# Altium PCB bogo_board.PcbDoc (part 1 of 2) (continued)
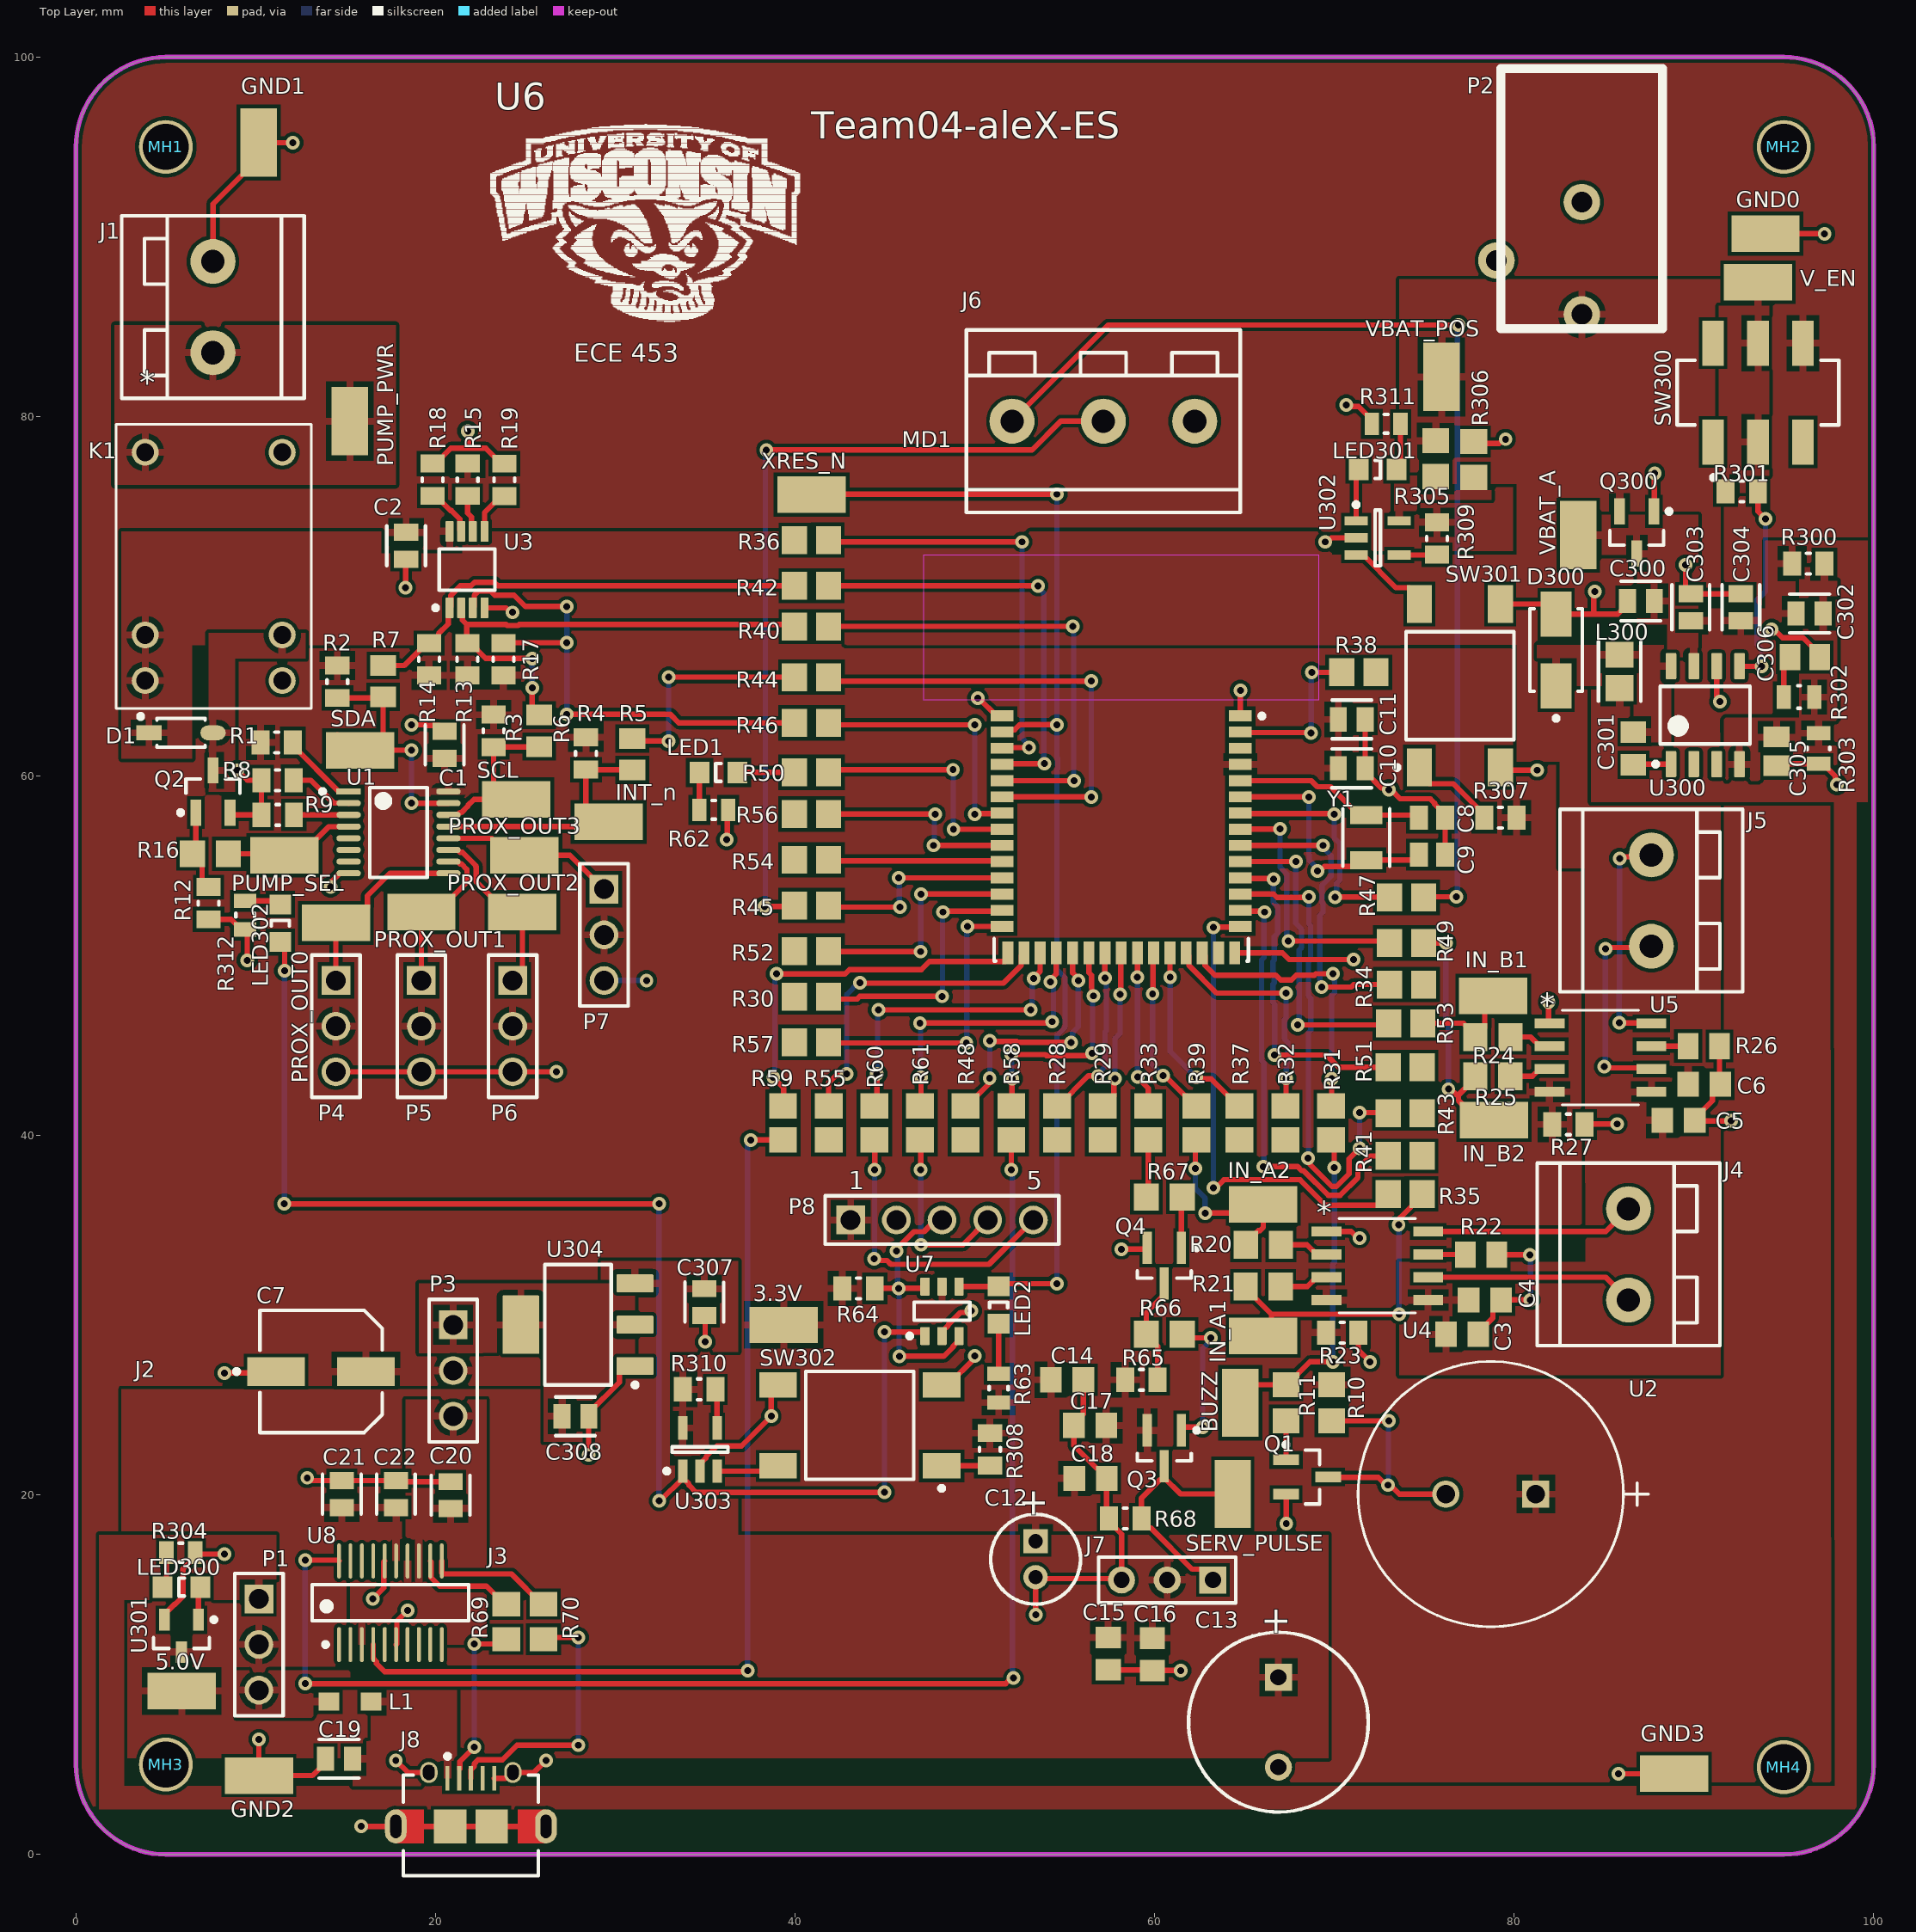
[diagram p0: Top Layer view]
## Part data (continued)
C301: library part Cap_4, "Cap Ceramic 0.01uF 100V X7R 10% SMD 0805 125°C Plastic T/R", Case Code (Imperial)=0805, Case Code (Metric)=2012, Dielectric=X7R, Dielectric Material=Ceramic, Manufacturer=KEMET, Manufacturer Part Number=C0805C103K1RAC7210, Max Operating Temperature=125°C, Min Operating Temperature=-55°C, Package Quantity=10000, Supplier Part Number 1=399-17617-1-ND, Tolerance=10%, Voltage Rating=100V, Case/Package=0805, Category="Ceramic Capacitors", ComponentLink1Description=http://www.farnell.com/datasheets/2747800.pdf?src-supplier=Farnell, ComponentLink1URL=http://www.farnell.com/datasheets/2747800.pdf?src-supplier=Farnell, ComponentLink2Description=http://www.mouser.com/ds/2/212/KEM_C1002_X7R_SMD-1102033.pdf?src-supplier=Mouser, ComponentLink2URL=http://www.mouser.com/ds/2/212/KEM_C1002_X7R_SMD-1102033.pdf?src-supplier=Mouser, ComponentLink3Description=http://components.arrow.com/part/dataview/2091052S6675795N7429?src-supplier=Arrow+Electronics, ComponentLink3URL=http://components.arrow.com/part/dataview/2091052S6675795N7429?src-supplier=Arrow+Electronics, ComponentLink4Description=https://www.verical.com/server-webapp/html/getDatasheet?partID=131027&src-supplier=Verical, ComponentLink4URL=https://www.verical.com/server-webapp/html/getDatasheet?partID=131027&src-supplier=Verical, ComponentLink5Description=http://www.kemet.com/kemet/web/homepage/kechome.nsf/weben/C4DA2DA1D1C9D3C3CA2570A50016092D/$file/KEM_C1002_X7R_SMD.pdf?src-supplier=Avnet, ComponentLink5URL=http://www.kemet.com/kemet/web/homepage/kechome.nsf/weben/C4DA2DA1D1C9D3C3CA2570A50016092D/$file/KEM_C1002_X7R_SMD.pdf?src-supplier=Avnet, ComponentLink6Description=https://api.kemet.com/component-edge/download/datasheet/C0805C103K1RAC7210.pdf?src-supplier=Digi-Key, ComponentLink6URL=https://api.kemet.com/component-edge/download/datasheet/C0805C103K1RAC7210.pdf?src-supplier=Digi-Key, ComponentLink7Description=http://www.farnell.com/datasheets/2747800.pdf?src-supplier=Newark, ComponentLink7URL=http://www.farnell.com/datasheets/2747800.pdf?src-supplier=Newark, ComponentLink8Description=http://www.kemet.com/kemet/web/homepage/kechome.nsf/weben/C4DA2DA1D1C9D3C3CA2570A50016092D/$file/KEM_C1002_X7R_SMD.pdf, ComponentLink8URL=http://www.kemet.com/kemet/web/homepage/kechome.nsf/weben/C4DA2DA1D1C9D3C3CA2570A50016092D/$file/KEM_C1002_X7R_SMD.pdf, Construction=Flat, Depth=1.25mm, Height=0.78mm, Length=2mm, Mounting Technology="Surface Mount", Packaging="Tape and Reel", Pricing 1="1=0.10000, 10=0.05400, 50=0.02960, 100=0.02430, 500=0.01732, 1000=0.01361, 2500=0.01237, 5000=0.01138 (USD)", Radiation Hardening=No, RoHS=Yes, RoHS Compliant=Yes, Series=C0805C, Stock 1=464939, Supplier 1=Digi-Key, Termination=SMD/SMT, Voltage Rating (DC)=100V
C302: library part CMP-2007-00354-2, "0805 C 2.7nF Ceramic Multilayer Capacitor; 50 VDC; +125degC; X7R Dielec; +/-10%", Capacitance="2,700 pF", Capacitor Type=Ceramic, Case/Package=0805, Manufacturer=KEMET, Max Operating Temperature=125°C, Min Operating Temperature=-55°C, Package=C0805C-DN, Package Shape=Rectangular, Rated DC Voltage (URdc)=50V, Supplier Part Number=399-C0805C272K5RAC7800CT-ND, Temperature="-55°C to +125°C", Temperature Characteristic=X7R, Temperature Coefficient=30ppm/°C, Temperature Range High=+125°C, Tolerance=0.1, Tolerance  (fill in as +-)=10%, Voltage Rating="50 V", Automotive=No, Category=Cap, ComponentLink1Description=http://capacitoredge.kemet.com:80/capedge2/DataSheet/Datasheet-C0805C272K5RAC7800.pdf?pn=C0805C272K5RAC7800&src-supplier=IHS+Markit, ComponentLink1URL=http://capacitoredge.kemet.com:80/capedge2/DataSheet/Datasheet-C0805C272K5RAC7800.pdf?pn=C0805C272K5RAC7800&src-supplier=IHS+Markit, ComponentLink2Description=Datasheet, ComponentLink2URL=https://content.kemet.com/datasheets/KEM_C1003_C0G_SMD.pdf, ComponentLink3Description=https://datasheet.ciiva.com/14589/70095383-14589404.pdf?src-supplier=Allied+Electronics, ComponentLink3URL=https://datasheet.ciiva.com/14589/70095383-14589404.pdf?src-supplier=Allied+Electronics, Device Class L1="Passive Components", Device Class L2=Capacitors, Device Class L3="Ceramic Capacitors", Dielectric Material=Ceramic, Digikey Description="0805 C 2.7nF Ceramic Multilayer Capacitor; 50 VDC; +125degC; X7R Dielec; +/-10%", Height=0.88mm, Ipc Land Pattern Name=CAPC200125X78, JESD-609 Code=e3, Lead Free=Yes, Manufacturer Part Number=C0805C272K5RACTU, Manufacturer Series=C0805C272K5RACTU, Material=Ceramic, Mounting Technology="Surface Mount", Mouser Description="0805 C 2.7nF Ceramic Multilayer Capacitor; 50 VDC; +125degC; X7R Dielec; +/-10%", Multilayer=Yes, Octopart=https://octopart.com/c0805c272k5ractu-kemet-135930, Packaging="Tape and Reel", Pins=2, Pricing="1=0.16, 10=0.108, 50=0.0648, 100=0.0547, 500=0.03744, 1000=0.03312 (USD)", Reach SVHC Compliant=Yes, RoHS=TRUE, RoHS Compliant=Yes, Stock=22544, Supplier=Digi-Key, Temperature Characteristics Code=X7R, Temperature Range Low=-55°C, Terminal Finish=Nickel, Termination=Wraparound, Tolerance (fill in as +-)=10%
C303 C304: library part CMP-2007-01008-2, "CAP CER 47UF 6.3V X5R 0805", Capacitance=47uF, Capacitor Type=Ceramic, Case Code (Imperial)=0805, Case Code (Metric)=2012, Dielectric=X5R, Manufacturer=KEMET, Max Operating Temperature=85°C, Min Operating Temperature=-55°C, Package Quantity=3000, Package Shape=Rectangular, Package Style=SMTMeter, Rated DC Voltage (URdc)=6.3V, Supplier Part Number=399-C0805C476M9PAC7800CT-ND, Tolerance=20%, Case/Package=0805, Category="Ceramic Capacitors", ComponentLink1Description=https://datasheet.ciiva.com:443/pdfs/VipMasterIC/IC/KEME/KEME-S-A0008991665/KEME-S-A0008991665-1.pdf?src-supplier=IHS+Markit, ComponentLink1URL=https://datasheet.ciiva.com:443/pdfs/VipMasterIC/IC/KEME/KEME-S-A0008991665/KEME-S-A0008991665-1.pdf?src-supplier=IHS+Markit, ComponentLink2Description=https://datasheet.ciiva.com/6137/40889-6137142.pdf?src-supplier=Farnell, ComponentLink2URL=https://datasheet.ciiva.com/6137/40889-6137142.pdf?src-supplier=Farnell, ComponentLink3Description=https://datasheet.ciiva.com/7842/40889-7842618.pdf?src-supplier=Element14, ComponentLink3URL=https://datasheet.ciiva.com/7842/40889-7842618.pdf?src-supplier=Element14, Construction=Flat, Depth=1.25mm, Dielectric Material=Ceramic, Dissipation Factor=5%, Height=1.25mm, JESD-609 Code=e3, Length=2mm, Manufacturer Part Number=C0805C476M9PACTU, Mount=PCB, Mounting Technology="Surface Mount", Multilayer=Yes, Number of Pins=2, Packaging="Tape and Reel", Pins=2, Pricing="1=0.78, 10=0.597, 50=0.4956, 100=0.4268, 500=0.3304, 1000=0.28451 (USD)", Radiation Hardening=No, REACH SVHC="No SVHC", Reach SVHC Compliant=Yes, RoHS=Yes, RoHS Compliant=Yes, Series=C0805C, Stock=80632, Supplier=Digi-Key, Temperature Characteristics Code=X5R, Terminal Finish=Nickel, Termination=SMD/SMT, Tolerance  (fill in as +-)=20%, Tolerance (fill in as +-)=20%, Voltage=6.3V, Voltage Rating=6.3V, Voltage Rating (DC)=6.3V, Width=1.2mm
C305: library part CMP-2007-00291-1, Capacitor Type=Ceramic, Case/Package=0805, Manufacturer=Kemet, Max Operating Temperature=125°C, Min Operating Temperature=-55°C, Package Shape=Rectangular, Rated DC Voltage (URdc)=100V, Supplier Part Number=399-C0805C151J1GAC7800CT-ND, Temperature Characteristics Code=C0G, Tolerance  (fill in as +-)=5%, Category="Ceramic Capacitors", ComponentLink1Description=https://datasheet.ciiva.com:443/pdfs/VipMasterIC/IC/KEME/KEME-S-A0000339992/KEME-S-A0000339992-1.pdf?src-supplier=IHS+Markit, ComponentLink1URL=https://datasheet.ciiva.com:443/pdfs/VipMasterIC/IC/KEME/KEME-S-A0000339992/KEME-S-A0000339992-1.pdf?src-supplier=IHS+Markit, ComponentLink2Description=https://datasheet.ciiva.com/22752/1907778-22752185.pdf?src-supplier=Element14, ComponentLink2URL=https://datasheet.ciiva.com/22752/1907778-22752185.pdf?src-supplier=Element14, ComponentLink3Description=https://datasheet.ciiva.com/18193/getdatasheetpartid-330695-18193563.pdf?src-supplier=Verical, ComponentLink3URL=https://datasheet.ciiva.com/18193/getdatasheetpartid-330695-18193563.pdf?src-supplier=Verical, Dielectric Material=Ceramic, JESD-609 Code=e3, Manufacturer Part Number=C0805C151J1GACTU, Manufacturer Series=C0805C151J1GACTU, Mounting Technology="Surface Mount", Multilayer=Yes, Packaging="Tape and Reel", Part Number=C0805C151J1GACTU, Pins=2, Pricing="1=0.26, 10=0.18, 50=0.1202, 100=0.1022, 500=0.07212, 1000=0.0631 (USD)", Reach SVHC Compliant=Yes, RoHS=Yes, RoHS Compliant=Yes, Stock=29603, Supplier=Digi-Key, Terminal Finish=Nickel, Termination=Wraparound, Tolerance (fill in as +-)=5%
C306: library part CMP-2007-04436-1, Capacitor Type=Ceramic, Case/Package=0805, Manufacturer="AVX Interconnect / Elco", Max Operating Temperature=125°C, Min Operating Temperature=-55°C, Package Shape=Rectangular, Package Style=SMTMeter, Rated DC Voltage (URdc)=50V, Supplier Part Number=478-1392-1-ND, Temperature Characteristics Code=X7R, Tolerance  (fill in as +-)=10%, Category="Ceramic Capacitors", ComponentLink1Description=https://datasheet.ciiva.com:443/pdfs/VipMasterIC/IC/AVXC/AVXC-S-A0008668650/AVXC-S-A0008668650-1.pdf?src-supplier=IHS+Markit, ComponentLink1URL=https://datasheet.ciiva.com:443/pdfs/VipMasterIC/IC/AVXC/AVXC-S-A0008668650/AVXC-S-A0008668650-1.pdf?src-supplier=IHS+Markit, ComponentLink2Description=https://datasheet.ciiva.com/19476/1036591-19476553.pdf?src-supplier=Jameco, ComponentLink2URL=https://datasheet.ciiva.com/19476/1036591-19476553.pdf?src-supplier=Jameco, ComponentLink3Description=https://datasheet.ciiva.com/11787/0900766b80dc2409-11787766.pdf?src-supplier=Rs, ComponentLink3URL=https://datasheet.ciiva.com/11787/0900766b80dc2409-11787766.pdf?src-supplier=Rs, ComponentLink4Description=https://datasheet.ciiva.com/150/cx7r-150632.pdf?src-supplier=Digi-Key, ComponentLink4URL=https://datasheet.ciiva.com/150/cx7r-150632.pdf?src-supplier=Digi-Key, ComponentLink5Description=https://datasheet.ciiva.com/150/cx7r-150633.pdf?src-supplier=Digi-Key, ComponentLink5URL=https://datasheet.ciiva.com/150/cx7r-150633.pdf?src-supplier=Digi-Key, ComponentLink6Description=https://datasheet.ciiva.com/150/cx7r-150634.pdf?src-supplier=Digi-Key, ComponentLink6URL=https://datasheet.ciiva.com/150/cx7r-150634.pdf?src-supplier=Digi-Key, ComponentLink7Description=https://datasheet.ciiva.com/5412/cx7r-5412810.pdf?src-supplier=Mouser, ComponentLink7URL=https://datasheet.ciiva.com/5412/cx7r-5412810.pdf?src-supplier=Mouser, ComponentLink8Description=https://datasheet.ciiva.com/16326/cx7r-16326391.pdf?src-supplier=Future+Electronics, ComponentLink8URL=https://datasheet.ciiva.com/16326/cx7r-16326391.pdf?src-supplier=Future+Electronics, ComponentLink9Description=https://datasheet.ciiva.com/28535/1818074-28535102.pdf?src-supplier=Element14, ComponentLink9URL=https://datasheet.ciiva.com/28535/1818074-28535102.pdf?src-supplier=Element14, Dielectric Material=Ceramic, Height=0.94mm, JESD-609 Code=e3, Length=2.01mm, Manufacturer Part Number=08055C563KAT2A, Mounting Technology="Surface Mount", Multilayer=Yes, Packaging="Tape and Reel", Part Number=08055C563KAT2A, Pins=2, Pricing="1=0.12, 10=0.089, 50=0.0504, 100=0.0418, 500=0.02928, 1000=0.02424 (USD)", Reach SVHC Compliant=Yes, RoHS=Yes, RoHS Compliant=Yes, Stock=29440, Supplier=Digi-Key, Terminal Finish=Nickel, Termination=Wraparound, Tolerance (fill in as +-)=10%, Width=1.25mm
D1: "DIODE SCHOTTKY 20V 1A SOD123FL", Average Rectified Current=1A, Forward Voltage=450mV, Manufacturer 2=MCC, Max Operating Temperature=125°C, Max Reverse Voltage (DC)=20V, Max Surge Current=30A, Min Operating Temperature=-65°C, Package Quantity=1, Supplier Part Number 1=SM5817PL-TPMSCT-ND, Category="Rectifier Diodes", ComponentLink1Description=https://datasheet.ciiva.com/15200/getdatasheetpartid-487494-15200581.pdf?src-supplier=Verical, ComponentLink1URL=https://datasheet.ciiva.com/15200/getdatasheetpartid-487494-15200581.pdf?src-supplier=Verical, ComponentLink2Description=https://datasheet.ciiva.com/912/sm5817pl-sm5819plsod-123fl-912827.pdf?src-supplier=Digi-Key, ComponentLink2URL=https://datasheet.ciiva.com/912/sm5817pl-sm5819plsod-123fl-912827.pdf?src-supplier=Digi-Key, Element Configuration=Single, Manufacturer Part Number 2=SM5817PL-TP, Mount="Surface Mount", Number of Pins=2, Packaging="Tape and Reel", Peak Non-Repetitive Surge Current=30A, Pricing 2="1=0.46000, 10=0.31900, 100=0.16110, 500=0.13144, 1000=0.09752 (USD)", Radiation Hardening=No, Reverse Voltage=20V, RoHS=Yes, RoHS Compliant=Yes, Stock 2=178040, Supplier 1=Digi-Key
D300: library part CMP-1667-00003-3, "DIODE SCHOTTKY 40V 3A SMA", Average Rectified Current=3A, Capacitance=250pF, Case/Package=SMA, Forward Voltage=500mV, Manufacturer=Diodes, Max Forward Surge Current (Ifsm)=80A, Max Operating Temperature=125°C, Max Repetitive Reverse Voltage (Vrrm)=40V, Max Reverse Current=500uA, Min Operating Temperature=-55°C, Package Body Material=Plastic, Package Quantity=5000, Package Shape=Rectangular, Package Style="SMALL OUTLINEMeter", Peak Reflow Temperature (Cel)=260°C, Supplier Part Number=B340A-FDICT-ND, Time @ Peak Reflow Temperature-Max (s)=40s, Application(s)=EFFICIENCY, Category="Rectifier Diodes", ComponentLink1Description=https://datasheet.ciiva.com:443/pdfs/VipMasterIC/IC/DIOD/DIOD-S-A0002833665/DIOD-S-A0002833511-1.pdf?src-supplier=IHS+Markit, ComponentLink1URL=https://datasheet.ciiva.com:443/pdfs/VipMasterIC/IC/DIOD/DIOD-S-A0002833665/DIOD-S-A0002833511-1.pdf?src-supplier=IHS+Markit, Contact Plating=Tin, Current=3A, Current Rating=3A, Diode Element Material=SILICON, Diode Type=RECTIFIER, Element Configuration=Single, Forward Current=3A, Height=2.3mm, JESD-30 Code=R-PDSO-C2, JESD-609 Code=e3, Lead Free="Lead Free", Length=4.6mm, Manufacturer Part Number=B340A-13-F, Max Output current=3A, Max Reverse Voltage (DC)=40V, Moisture Sensitivity Level=1, Mount="Surface Mount", Non-rep Pk Forward Current-Max=80A, Number of Elements=1, Number of Phases=1, Number of Pins=2, Output Current=3A, Packaging="Tape and Reel", Peak Non-Repetitive Surge Current=80A, Pins=2, Polarity=Standard, Pricing="1=0.43, 10=0.334, 100=0.2004, 500=0.18558, 1000=0.1262, 2000=0.11618 (USD)", Qualification Status="Not Qualified", Radiation Hardening=No, REACH SVHC="No SVHC", Reach SVHC Compliant=No, Reference Standard=AEC-Q101, Rep Pk Reverse Voltage-Max=40V, RoHS=Yes, RoHS Compliant=Yes, Series=-, Stock=42803, Supplier=Digi-Key, Surface Mount=Yes, Technology=SCHOTTKY, Terminal Finish=Tin, Terminal Form="C BEND", Terminal Position=DUAL, Termination=SMD/SMT, Voltage=40V, Voltage Rating (DC)=40V, Weight=0.002258oz, Width=2.92mm
J1 J4 J5: library part 2-Pin, "2~24 Poles, Screw Type, Horizontal, 5.08 Pitch, 26~14 (AWG), Terminal Block Connector", Manufacturer="CUI Devices", Manufacturer Part Number=TB006-508-02BE, Supplier Part Number=102-6191-ND, Category="Terminal Blocks", ComponentLink1Description=https://datasheet.ciiva.com/709/eng-cd-640456-w1-709680.pdf?src-supplier=Digi-Key, ComponentLink1URL=https://datasheet.ciiva.com/709/eng-cd-640456-w1-709680.pdf?src-supplier=Digi-Key, ComponentLink2Description=https://datasheet.ciiva.com/3118/eng-ds-82056-mta-0608-3118497.pdf?src-supplier=Avnet, ComponentLink2URL=https://datasheet.ciiva.com/3118/eng-ds-82056-mta-0608-3118497.pdf?src-supplier=Avnet, ComponentLink3Description=https://datasheet.ciiva.com/16401/eng-ds-82056-mta-0608-16401289.pdf?src-supplier=Future+Electronics, ComponentLink3URL=https://datasheet.ciiva.com/16401/eng-ds-82056-mta-0608-16401289.pdf?src-supplier=Future+Electronics, ComponentLink4Description=https://datasheet.ciiva.com/25617/0900766b80027008-25617244.pdf?src-supplier=RSComponents, ComponentLink4URL=https://datasheet.ciiva.com/25617/0900766b80027008-25617244.pdf?src-supplier=RSComponents, ComponentLink5Description=https://datasheet.ciiva.com/14156/04384301-14156820.pdf?src-supplier=Distrelec, ComponentLink5URL=https://datasheet.ciiva.com/14156/04384301-14156820.pdf?src-supplier=Distrelec, ComponentLink6Description=https://datasheet.ciiva.com/11746/0900766b80eb7fdd-11746365.pdf?src-supplier=RSComponents, ComponentLink6URL=https://datasheet.ciiva.com/11746/0900766b80eb7fdd-11746365.pdf?src-supplier=RSComponents, ComponentLink7Description=https://datasheet.ciiva.com/7128/1866390-7128742.pdf?src-supplier=Newark, ComponentLink7URL=https://datasheet.ciiva.com/7128/1866390-7128742.pdf?src-supplier=Newark, ComponentLink8Description=https://datasheet.ciiva.com/16505/eng-ds-82056-mta-0608-16505419.pdf?src-supplier=Avnet+Asia, ComponentLink8URL=https://datasheet.ciiva.com/16505/eng-ds-82056-mta-0608-16505419.pdf?src-supplier=Avnet+Asia, Pricing 1="1=0.86, 10=0.472, 25=0.3524, 50=0.3142, 100=0.308, 250=0.27108, 500=0.24644, 1000=0.2218, 5000=0.16635 (USD)", RoHS=Yes, Stock 1=50889, Supplier=Digi-Key
J2 J3: library part CMP-03355-000020-1, "CONN SHUNT 2POS OPEN 2.54MM", Color=Black, Contact Current Rating=3A, Flammability Rating="UL94 V-0", Insulation Resistance=1GR, Manufacturer="TE Connectivity", Max Operating Temperature=105°C, Min Operating Temperature=-65°C, Package Quantity=1500, Supplier Part Number=52F5498, Supplier Part Number 1=A26228-ND, Approvals=UL, Category="Board to Board Connectors", ComponentLink1Description=https://datasheet.ciiva.com/25616/0900766b810caf26-25616808.pdf?src-supplier=Rs, ComponentLink1URL=https://datasheet.ciiva.com/25616/0900766b810caf26-25616808.pdf?src-supplier=Rs, ComponentLink2Description=https://datasheet.ciiva.com/767/eng-cd-382811-l-767846.pdf?src-supplier=Digi-Key, ComponentLink2URL=https://datasheet.ciiva.com/767/eng-cd-382811-l-767846.pdf?src-supplier=Digi-Key, ComponentLink3Description=https://datasheet.ciiva.com/30253/eng-cs-1307819-section-6-7and8-0808-30253247.pdf?src-supplier=Onlinecomponents.com, ComponentLink3URL=https://datasheet.ciiva.com/30253/eng-cs-1307819-section-6-7and8-0808-30253247.pdf?src-supplier=Onlinecomponents.com, ComponentLink4Description=https://datasheet.ciiva.com/14640/70083050-14640423.pdf?src-supplier=Allied+Electronics, ComponentLink4URL=https://datasheet.ciiva.com/14640/70083050-14640423.pdf?src-supplier=Allied+Electronics, ComponentLink5Description=https://datasheet.ciiva.com/1412/eng-cs-1307819-section-6-7and8-0808-1412631.pdf?src-supplier=Element14, ComponentLink5URL=https://datasheet.ciiva.com/1412/eng-cs-1307819-section-6-7and8-0808-1412631.pdf?src-supplier=Element14, ComponentLink6Description=https://datasheet.ciiva.com/3120/eng-cs-1307819-section-6-7and8-0808-3120187.pdf?src-supplier=Avnet, ComponentLink6URL=https://datasheet.ciiva.com/3120/eng-cs-1307819-section-6-7and8-0808-3120187.pdf?src-supplier=Avnet, Contact Gender=Female, Contact Material=Bronze, Contact Plating=Gold, Current Rating=3A, Depth=2.54mm, ELV=Compliant, Height=6.35mm, Housing Color=Black, Housing Material=Polyester, Lead Free="Lead Free", Length=5.08mm, Manufacturer 1="TE Connectivity", Manufacturer Part Number=382811-8, Manufacturer Part Number 1=382811-8, Number of Contacts=2, Number of Positions=2, Number of Rows=1, Orientation=Straight, Packaging=Box, Pitch=2.54mm, Plating Thickness=0.127um, Pricing="1=0.255, 10=0.171, 25=0.156, 100=0.14, 500=0.131, 1000=0.105 (USD)", Pricing 1="10=0.192, 30=0.17833, 50=0.169, 100=0.1599, 250=0.14884, 500=0.14026, 1000=0.1329, 2500=0.1231, 5000=0.11147 (USD)", Radiation Hardening=No, Reach SVHC Compliant=Unknown, RoHS=Yes, RoHS Compliant=Yes, Series=AMPMODU, Stock=6205, Stock 1=342640, Supplier=Newark, Supplier 1=Digi-Key
J6: library part 3-Pin_2, "2~24 Poles, Screw Type, Horizontal, 5.08 Pitch, 26~14 (AWG), Terminal Block Connector", Manufacturer="CUI Devices", Manufacturer Part Number=TB006-508-03BE, Supplier Part Number 1=102-6192-ND, Category="Terminal Blocks", Pricing 1="1=0.91, 10=0.567, 25=0.4856, 50=0.4364, 100=0.4272, 250=0.3636, 500=0.34542, 1000=0.30906, 5000=0.24179 (USD)", RoHS=Yes, Stock 1=41909, Supplier 1=Digi-Key
J7: library part 3-Pin_1, "Switch Slide N.O./N.C. SPDT Top Slide 0.2A 30VDC PC Pins Thru-Hole", Contact Current Rating=200mA, Contact Resistance=20mR, Insulation Resistance=100R, Manufacturer=E-Switch, Manufacturer Part Number=EG1218, Max Operating Temperature=70°C, Min Operating Temperature=-20°C, Operating Force=250gf, Supplier Part Number 1=EG1903-ND, Voltage Rating=30V, Actuator Length=2mm, Actuator Type=Standard, Category="Slide Switches", ComponentLink1Description=https://datasheet.ciiva.com/1699/p040040c-1699451.pdf?src-supplier=Newark, ComponentLink1URL=https://datasheet.ciiva.com/1699/p040040c-1699451.pdf?src-supplier=Newark, Contact Material="Copper Alloy,Copper,Silver", Contact Plating=Silver, Electrical Life=10000Cycles, Illumination Type=Non-Illuminated, Lead Free="Lead Free", Mounting Technology="Through Hole", Number of Positions=2, Orientation=Straight, Packaging=Bulk, Pins=3, Pricing 1="1=0.74, 25=0.6664, 100=0.5958, 500=0.5047, 2500=0.42434 (USD)", Reach SVHC Compliant=No, RoHS=Yes, RoHS Compliant=Yes, Series=EG, Stock 1=46638, Supplier 1=Digi-Key, Switch Function=On-On, Switch Travel=2.5mm, Termination="PC Pin", Throw Configuration=SPDT, Voltage Rating (AC)=30V, Voltage Rating (DC)=30V
J8: library part CMP-2000-05610-1, "Right Angle Female Type AB Micro USB Connector, 30 V, 1.8 A, -30 to 85 degC, RoHS, Tape and Reel", Color=Black, Contact Resistance=40mR, Current Rating=1.8A, Manufacturer=Molex, Max Operating Temperature=85°C, Max Voltage Rating (AC)=100V, Min Operating Temperature=-20°C, Supplier Part Number=40P3749, Voltage Rating=30V, Category="USB Connectors", ComponentLink1Description=https://datasheet.ciiva.com/1098/1597783-1098478.pdf?src-supplier=Element14, ComponentLink1URL=https://datasheet.ciiva.com/1098/1597783-1098478.pdf?src-supplier=Element14, ComponentLink2Description=https://datasheet.ciiva.com/11731/0900766b80dfe0a8-11731295.pdf?src-supplier=Rs, ComponentLink2URL=https://datasheet.ciiva.com/11731/0900766b80dfe0a8-11731295.pdf?src-supplier=Rs, Connector Type=USB,Receptacle, Contact Material="Copper Alloy,Copper", Contact Plating=Gold, Gender=Female, Housing Material=Polymer, Length=8.65mm, Manufacturer Part Number=47589-0001, Mounting Technology="Surface Mount,PCB", Number of Contacts=5, Number of Ports=1, Orientation="Right Angle", Packaging="Tape and Reel", Pitch=0.65mm, Pricing="1=0.536, 25=0.536, 100=0.492, 250=0.492, 500=0.492, 1000=0.492 (USD)", Radiation Hardening=No, Reach SVHC Compliant=Unknown, RoHS=Yes, RoHS Compliant=Yes, Series=47589, Stock=10404, Supplier=Newark, Termination=Solder, USB Standard="USB 2.0", Voltage Rating (AC)=30V
K1: "No Description Available", Mfr_Name="CIT Relay & Switch", Copyright="Copyright (C) 2023 Ultra Librarian. All rights reserved.", Manufacturer_Part_Number=J1021AS512VDC.45, RefDes=RefDes, Type=DEV
L1: library part CMP-0220-00169-1, "SMD EMI Suppression Ferrite Bead WE-CBF, Z = 2200 Ohm", Case Code (Imperial)=0805, Case Code (Metric)=2012, Case/Package=SMD/SMT, Current Rating=200mA, DC Resistance (DCR)=600mR, Manufacturer="Wurth Electronics", Max Operating Temperature=125°C, Min Operating Temperature=-55°C, Package Quantity=1, Supplier Part Number=24AC5609, Test Frequency=100MHz, Tolerance=25%, Category="Ferrite Beads and Chips", ComponentLink1Description="Manufacturer Link", ComponentLink1URL=http://www.we-online.com, ComponentLink2Description=Datasheet, ComponentLink2URL=http://www.we-online.de/katalog/media/pdf/742792093.pdf, ComponentLink3Description=https://datasheet.ciiva.com/1475/742792093-1475025.pdf?src-supplier=Farnell, ComponentLink3URL=https://datasheet.ciiva.com/1475/742792093-1475025.pdf?src-supplier=Farnell, ComponentLink4Description=https://datasheet.ciiva.com/1013/742792093-1013376.pdf?src-supplier=Digi-Key, ComponentLink4URL=https://datasheet.ciiva.com/1013/742792093-1013376.pdf?src-supplier=Digi-Key, ComponentLink5Description=https://datasheet.ciiva.com/4940/742792093-88569-4940476.pdf?src-supplier=Mouser, ComponentLink5URL=https://datasheet.ciiva.com/4940/742792093-88569-4940476.pdf?src-supplier=Mouser, ComponentLink6Description=https://datasheet.ciiva.com/11799/0900766b80bbd134-11799557.pdf?src-supplier=Rs, ComponentLink6URL=https://datasheet.ciiva.com/11799/0900766b80bbd134-11799557.pdf?src-supplier=Rs, ComponentLink7Description=https://datasheet.ciiva.com/14122/742792093-eng-tds-14122810.pdf?src-supplier=Distrelec, ComponentLink7URL=https://datasheet.ciiva.com/14122/742792093-eng-tds-14122810.pdf?src-supplier=Distrelec, Core Material=Ferrite, DatasheetVersion=Dec-2005, Depth=1.2mm, Height=0.9mm, Impedance="2200 Ohm", Lead Free="Lead Free", Length=2mm, Manufacturer Part Number=742792093, Max Current Rating=200mA, Max DC Current=200mA, Mounting Technology="Surface Mount", Number of Lines=1, PackageDescription="Chip Inductor, 2-Leads, Body 2.0 x 1.2 mm", PackageReference=SMD-0805, PackageVersion=2005, Packaging="Tape and Reel", Pricing="1=0.145, 4000=0.145 (USD)", Reach SVHC Compliant=Unknown, RoHS=Yes, RoHS Compliant=Yes, Series=WE-CBF, Shielding=Unshielded, Stock=32000, Supplier=Newark, Termination=SMD/SMT, Weight=0.000388oz, Width=1.2mm
L300: library part CMP-14484-000451-1, "SMD Inductors 68uH ±10% 0.05A 7.8Ω 0805", Case Code (Imperial)=0805, Case Code (Metric)=2012, Current Rating=50mA, DC Resistance (DCR)=6R, Inductance=68uH, Inductor Application="RF INDUCTOR", Inductor Type="GENERAL PURPOSE INDUCTOR", Manufacturer="Taiyo Yuden", Max Operating Temperature=105°C, Min Operating Temperature=-40°C, Package Height=1.25mm, Package Length=2mm, Package Quantity=1, Package Style=SMTMeter, Resistor Type=Wirewound, Self Resonant Frequency=10MHz, Supplier Part Number=587-2450-1-ND, Test Frequency=2.52MHz, Tolerance=10%, Case/Package=0805, Case/Size Code=0805, Category="Fixed Inductors", Channels=1, ComponentLink1Description=https://datasheet.ciiva.com:443/pdfs/VipMasterIC/IC/TAIY/TAIY-S-A0009098652/TAIY-S-A0009098837-1.pdf?src-supplier=IHS+Markit, ComponentLink1URL=https://datasheet.ciiva.com:443/pdfs/VipMasterIC/IC/TAIY/TAIY-S-A0009098652/TAIY-S-A0009098837-1.pdf?src-supplier=IHS+Markit, ComponentLink2Description=https://datasheet.ciiva.com/1039/lb2012t680k-ss-1039309.pdf?src-supplier=Digi-Key, ComponentLink2URL=https://datasheet.ciiva.com/1039/lb2012t680k-ss-1039309.pdf?src-supplier=Digi-Key, ComponentLink3Description=https://datasheet.ciiva.com/26872/getdatasheetpartid-637266-26872144.pdf?src-supplier=Verical, ComponentLink3URL=https://datasheet.ciiva.com/26872/getdatasheetpartid-637266-26872144.pdf?src-supplier=Verical, Construction=Chip, Core Material=Ferrite, DC Current=50mA, Depth=1.45mm, Halogen Free="Halogen Free", Height=1.25mm, Height - Seated (Max)=0.057inch, Inductance-Nom (L)=68uH, JESD-609 Code=e3, Lead Free="Lead Free", Length=0.079inch, Manufacturer Part Number=LB2012T680K, Max Current Rating=50mA, Max DC Current=50mA, Military Standard=Not, Mount="Surface Mount", Number of Pins=2, Package Width=1.25mm, Packaging="Tape and Reel", Pins=2, Pricing="1=0.14, 10=0.125, 25=0.1064, 50=0.094, 100=0.0861, 250=0.07828, 500=0.07358, 1000=0.05636 (USD)", Radiation Hardening=No, Reach SVHC Compliant=Yes, RoHS=Yes, RoHS Compliant=Yes, Series=LB, Shape/Size Description="RECTANGULAR PACKAGE", Shielding=Unshielded, Stock=7601, Supplier=Digi-Key, Surface Mount=Yes, Terminal Finish=Tin, Terminal Placement="Dual Ended", Termination=SMD/SMT, Width=1.25mm
LED1 LED300 LED301 LED302: library part CMP-1426-00007-1, "SMD mono-color Chip LED, WL-SMCW, Green", Case Code (Imperial)=0805, Case Code (Metric)=2012, Color=Green, Forward Current=30mA, Forward Voltage=3.2V, Lens Color=Colorless, Manufacturer="Wuerth Elektronik", Manufacturer 1="Wurth Electronics", Max Operating Temperature=85°C, Min Operating Temperature=-40°C, Package Quantity=4000, Supplier Part Number=95W3800, Supplier Part Number 1=732-4983-1-ND, Test Current=20mA, Case/Package=0805, Category=LEDs, ComponentLink1Description="Manufacturer URL", ComponentLink1URL=http://www.we-online.com, ComponentLink2Description=Datasheet, ComponentLink2URL=http://katalog.we-online.com/led/datasheet/150080GS75000.pdf, ComponentLink3Description=https://datasheet.ciiva.com/29563/150080gs75000-29563008.pdf?src-supplier=Digi-Key, ComponentLink3URL=https://datasheet.ciiva.com/29563/150080gs75000-29563008.pdf?src-supplier=Digi-Key, ComponentLink4Description=https://datasheet.ciiva.com/29279/759434-da-01-en-chipled-0805-w-kl-gruen-150080gs75000-29279039.pdf?src-supplier=Conrad, ComponentLink4URL=https://datasheet.ciiva.com/29279/759434-da-01-en-chipled-0805-w-kl-gruen-150080gs75000-29279039.pdf?src-supplier=Conrad, Dominant Wavelength=520nm, Height=0.7mm, Length=2mm, Lens Size=1.25mm, Lens Style=Clear,Rectangular, Lens Transparency=Clear, Luminous Intensity=450mcd, Manufacturer Part Number=150080GS75000, Manufacturer Part Number 1=150080GS75000, Mount="Surface Mount", Mounting Technology="Surface Mount", PackageReference=0805_A, Packaging="Cut Tape", PartNumber=150080GS75000, Pricing="1=0.194, 5=0.194, 10=0.191, 25=0.186, 50=0.18, 100=0.154, 500=0.141 (USD)", Pricing 1="1=0.19000, 50=0.17600, 100=0.15100, 500=0.13100 (USD)", REACH SVHC=Unknown, Reach SVHC Compliant=Unknown, RoHS=Yes, RoHS Compliant=Yes, Series=WL-SMCW, Stock=59977, Stock 1=95801, Supplier=Newark, Supplier 1=Digi-Key, Viewing Angle=140°, Wavelength=520nm, Width=1.25mm
LED2: library part CMP-1426-00011-1, "SMD mono-color Chip LED, WL-SMCW, Red", Case Code (Imperial)=0805, Case Code (Metric)=2012, Color=Red, Forward Current=30mA, Forward Voltage=2V, Lens Color=Colorless, Manufacturer="Wuerth Elektronik", Manufacturer 1="Wurth Electronics", Max Operating Temperature=85°C, Min Operating Temperature=-40°C, Package Quantity=4000, Supplier Part Number=95W3801, Supplier Part Number 1=732-4984-1-ND, Test Current=20mA, Case/Package=0805, Category=LEDs, ComponentLink1Description="Manufacturer URL", ComponentLink1URL=http://www.we-online.com, ComponentLink2Description=Datasheet, ComponentLink2URL=http://katalog.we-online.com/led/datasheet/150080RS75000.pdf, ComponentLink3Description=https://datasheet.ciiva.com/22656/150080rs75000-22656961.pdf?src-supplier=Element14, ComponentLink3URL=https://datasheet.ciiva.com/22656/150080rs75000-22656961.pdf?src-supplier=Element14, ComponentLink4Description=https://datasheet.ciiva.com/29279/759435-da-01-en-chipled-0805-w-kl-rot-150080rs75000-29279032.pdf?src-supplier=Conrad, ComponentLink4URL=https://datasheet.ciiva.com/29279/759435-da-01-en-chipled-0805-w-kl-rot-150080rs75000-29279032.pdf?src-supplier=Conrad, Dominant Wavelength=625nm, Height=0.7mm, Length=2mm, Lens Size=1.25mm, Lens Style=Clear,Rectangular, Lens Transparency=Clear, Luminous Intensity=150mcd, Manufacturer Part Number=150080RS75000, Manufacturer Part Number 1=150080RS75000, Mount="Surface Mount", Mounting Technology="Surface Mount", PackageReference=0805_A, Packaging="Tape and Reel", PartNumber=150080RS75000, Pricing="1=0.194, 5=0.194, 10=0.191, 25=0.186, 50=0.18, 100=0.154 (USD)", Pricing 1="1=0.19000, 50=0.17600, 100=0.15100, 500=0.13100 (USD)", REACH SVHC=Unknown, Reach SVHC Compliant=Unknown, RoHS=Yes, RoHS Compliant=Yes, Series=WL-SMCW, Stock=14062, Stock 1=100282, Supplier=Newark, Supplier 1=Digi-Key, Viewing Angle=140°, Wavelength=625nm, Width=1.25mm
MD1: library part CMP-12964-000002-1, "RF TXRX MOD BLUETOOTH TRACE ANT", Manufacturer="Cypress Semiconductor", Manufacturer 1=Cypress, Max Frequency=2.5GHz, Max Supply Voltage=3.6V, Min Supply Voltage=1.71V, Package=0, Receiving Current=6.7mA, Supplier Part Number 1=428-4622-1-ND, Temperature="-40°C to +85°C", Temperature Range High=+85°C, Temperature Range Low=-40°C, Transmitting Current=5.7mA, Automotive=No, Bandwidth=100MHz, Category=UNK, ComponentLink2Description=Datasheet, ComponentLink2URL=https://www.cypress.com/file/428336/download, Data Rate=2Mbits/s, Device Class L1="Integrated Circuits (ICs)", Device Class L2="RF Semiconductors and Devices", Device Class L3=Transceivers, Digikey Description="RF TXRX MOD BLUETOOTH TRACE ANT", Height=2mm, Interface=I2C,SPI,UART,I2S,Other, Lead Free=Yes, Manufacturer Part Number=CYBLE-416045-02, Manufacturer Part Number 1=CYBLE-416045-02, Number Of Adc Channels=1, Number Of Gpio=36, Octopart=https://octopart.com/cyble-416045-02-cypress+semiconductor-96386825, Pricing 1="1=16.24000, 10=14.69300, 25=13.53280, 100=12.37280, 250=11.59952 (USD)", RoHS=TRUE, RoHS Compliant=Yes, Stock 1=3441, Supplier 1=Digi-Key
MH1 MH2 MH3 MH4: "Mounting Holde", Manufacturer Part Number="UW MTHOLE"
P1 P3 P4 P5 P6 P7: library part CMP-1502-01062-1, "THT Vertical Pin Header WR-PHD, Pitch 2.54 mm, Single Row, 3 pins", Color=Black, Contact Resistance=20mOhm, Manufacturer="Wurth Elektronik", Manufacturer 1="Wurth Electronics", Operating Temperature=-40to105degC, Rated Current=3A, Supplier Part Number=20X0950, Supplier Part Number 1=732-5316-ND, Withstanding Voltage=500VAC, Working Voltage=250VAC, Category=Connectors, ComponentLink1Description=http://www.farnell.com/cad/1737268.pdf?src-supplier=Element14, ComponentLink1URL=http://www.farnell.com/cad/1737268.pdf?src-supplier=Element14, ComponentLink2Description=https://katalog.we-online.de/em/datasheet/6130xx11121.pdf?src-supplier=Digi-Key, ComponentLink2URL=https://katalog.we-online.de/em/datasheet/6130xx11121.pdf?src-supplier=Digi-Key, ComponentLink3Description=https://datasheet.octopart.com/61300311121-W%C3%BCrth-Elektronik-datasheet-21154836.pdf?src-supplier=Element14, ComponentLink3URL=https://datasheet.octopart.com/61300311121-W%C3%BCrth-Elektronik-datasheet-21154836.pdf?src-supplier=Element14, Contact Material=Copper, Contact Mating Length=0.236inch, Contact Plating=Gold, Contact Type="Male Pin", Datasheet URL=https://katalog.we-online.de/em/datasheet/6130xx11121.pdf, Gender=Male, Lead Free="Lead Free", Manufacturer Part Number=61300311121, Manufacturer Part Number 1=61300311121, Manufacturer URL=http://www.we-online.de, Mount="Through Hole", Mounting Technology=THT, Number of Contacts=3, Number of Positions=3, Number of Rows=1, Orientation=Vertical, Package Reference=61300311121, Packaging=Bag, Part Number=61300311121, Pin Number=3, Pitch=2.54mm, Pricing="1=0.133, 10=0.115, 25=0.096, 50=0.081, 100=0.072 (USD)", Pricing 1="1=0.13, 10=0.113, 25=0.094, 50=0.079, 100=0.071, 1000=0.066 (USD)", Publisher=WurthElektronik, Reach SVHC Compliant=Unknown, RoHS=Yes, RoHS Compliant=Yes, Row Number=Single, Series=WR-PHD, Stock=65141, Stock 1=225106, Supplier=Newark, Supplier 1=Digi-Key, Termination=Solder
P2: library part "CONN JACK PWR W/SW", "CONN PWR JACK 2.1X5.5MM HIGH CUR", Color=Black, Current Rating=5A, Manufacturer="CUI Inc", Manufacturer Part Number=PJ-102AH, Operating Temperature="-25°C ~ 85°C", Supplier Part Number=CP-102AH-ND, Voltage - Rated=24VDC, Connector Type=Jack, Contact Material=Copper, Contact Material - Plating=Nickel, Gender=Male, Housing Color=Black, Housing Material=Thermoplastic, Internal Switch(s)="Single Switch, Normally Closed", Mounting Type="Through Hole, Right Angle", Number of Positions/Contacts="2 Conductors, 3 Contacts", Plug/Mating Plug Diameter="2.1mm ID, 5.5mm OD", Shielding=Unshielded, Supplier=Digi-Key, Termination=Solder